# Altium PCB Motherboard_PCB_Trimmed.PcbDoc (part 1 of 5) (continued)
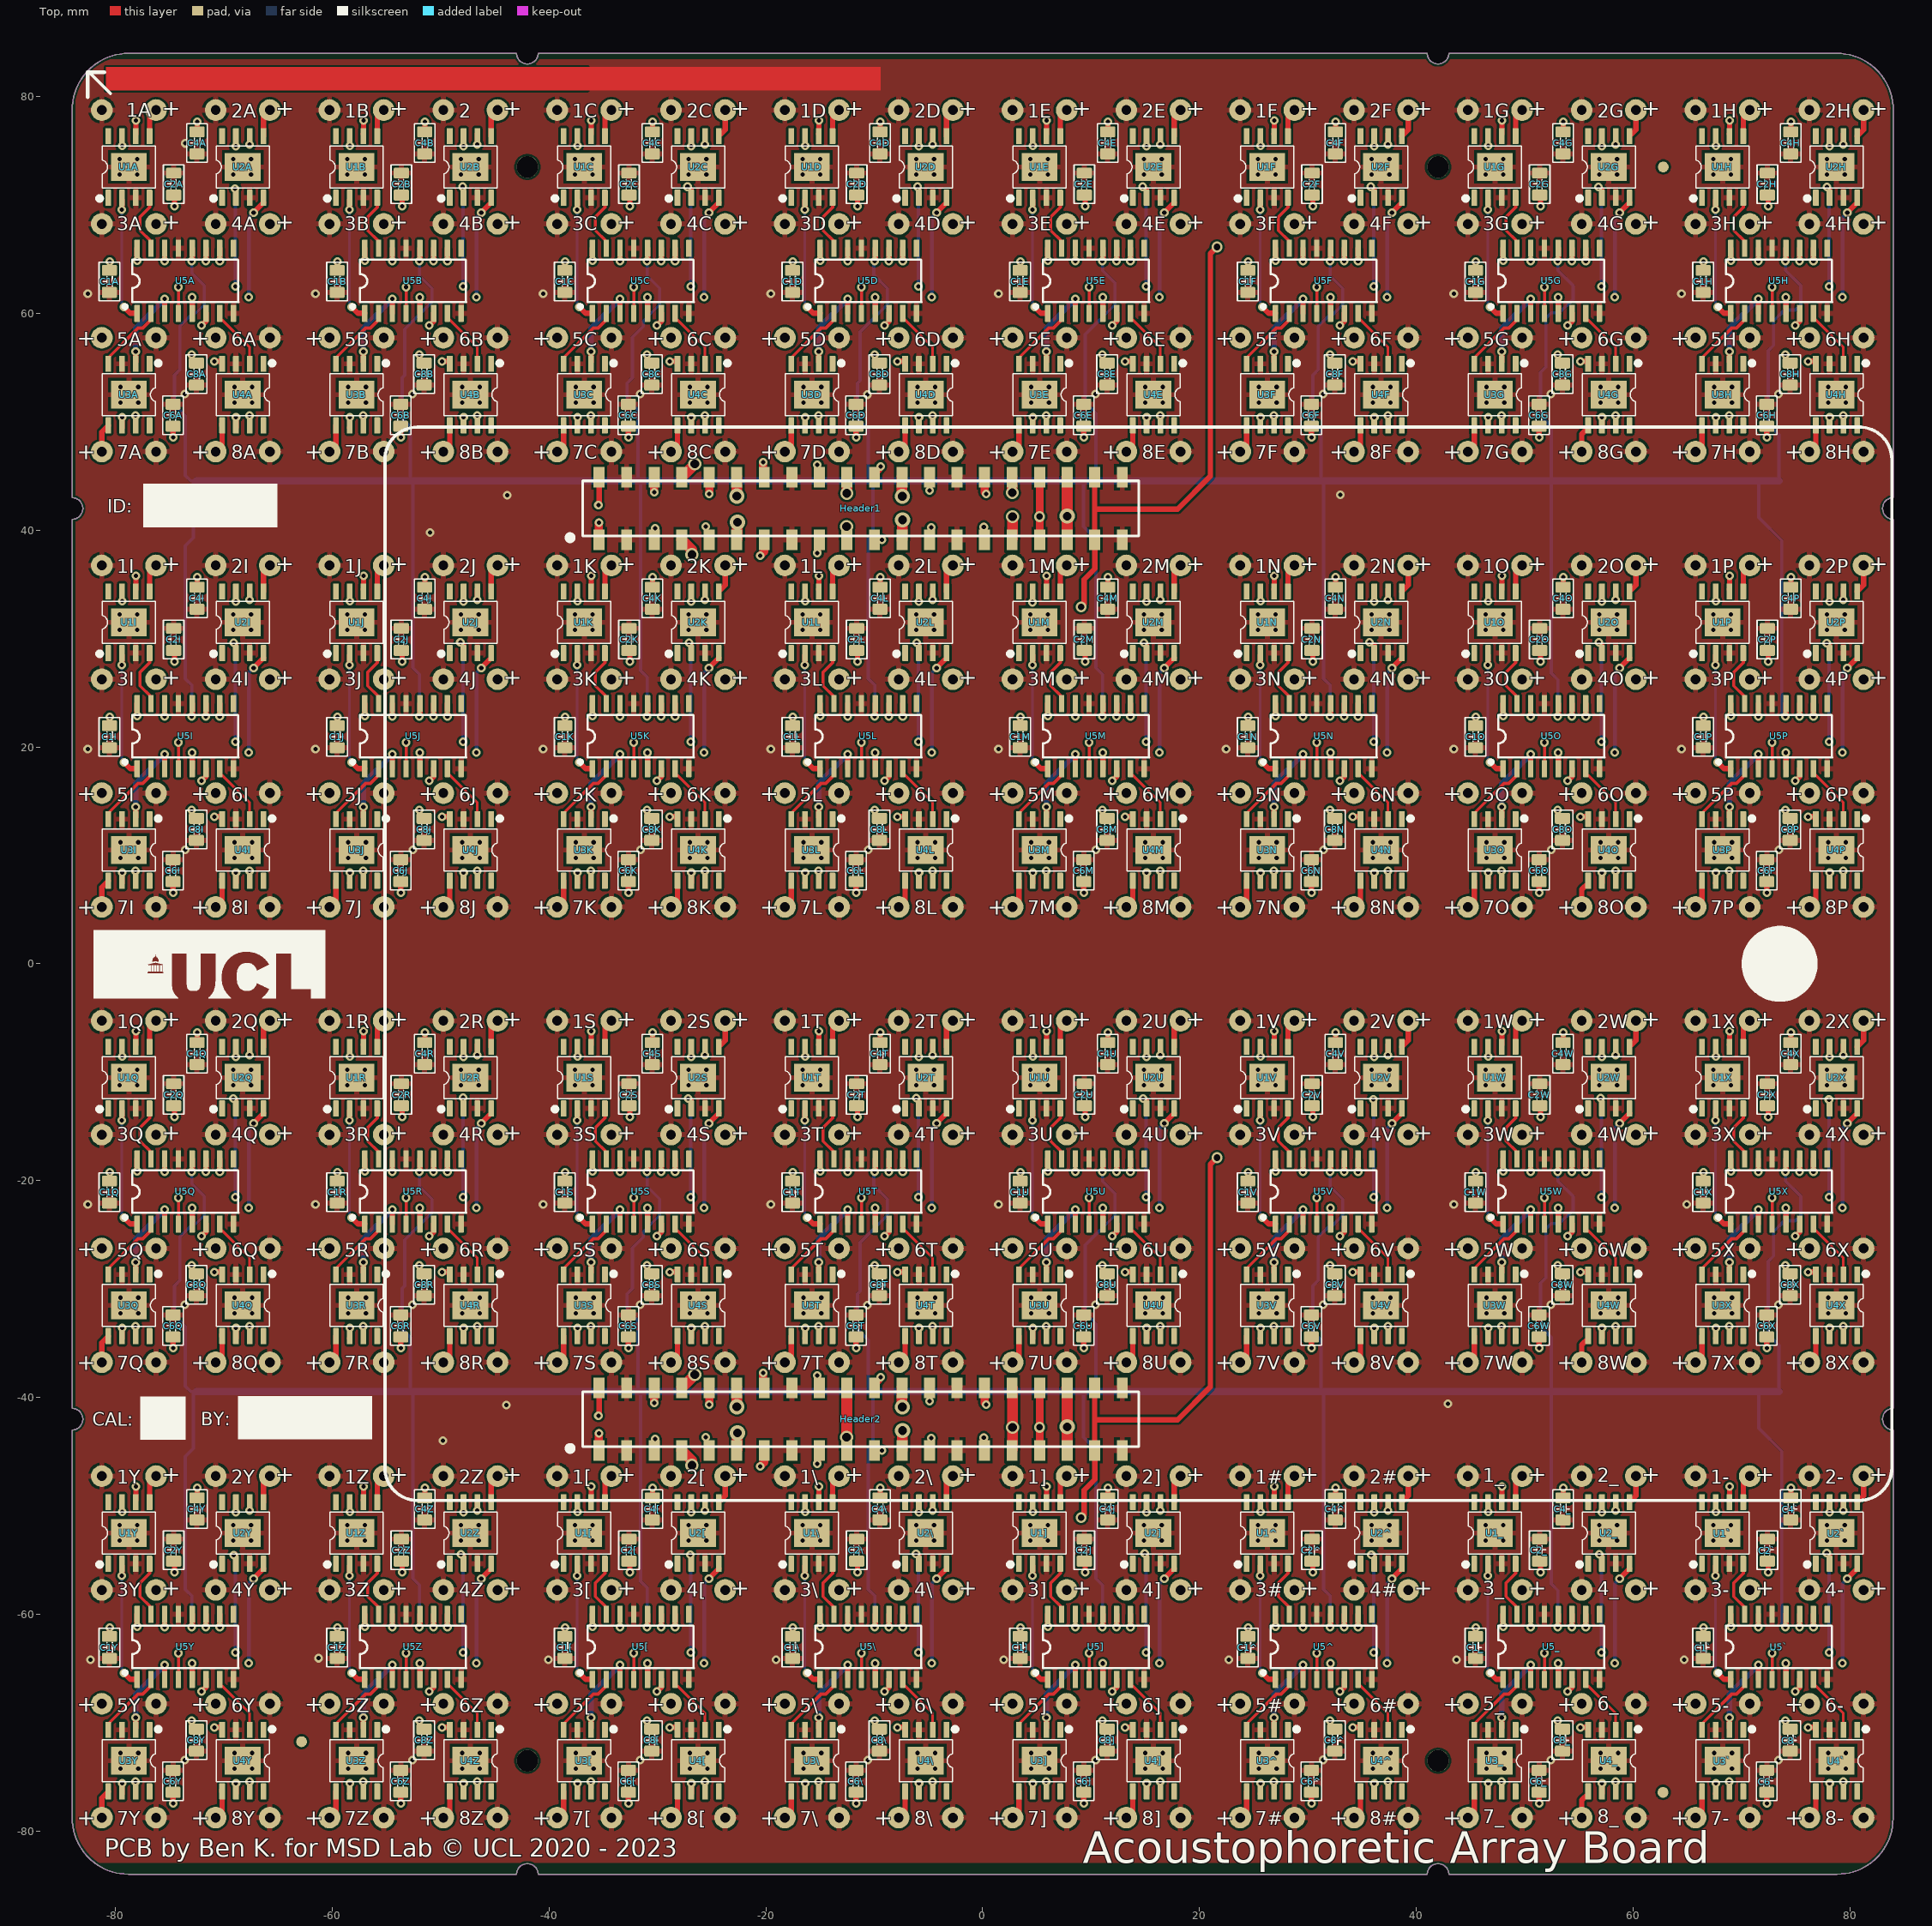
[diagram p0: Top view]
## Components (designator, comment, footprint, x,y, rotation, side; value= is the part's Value field where it differs from the comment) (continued)
3H "EMIT" "TRANSDUCER_D - LowPoly" 68.25,68.25 r180 top locked (schematic designator 3)
3I "EMIT" "TRANSDUCER_D - LowPoly" -78.75,26.25 r180 top locked (schematic designator 3)
3J "EMIT" "TRANSDUCER_D - LowPoly" -57.75,26.25 r180 top locked (schematic designator 3)
3K "EMIT" "TRANSDUCER_D - LowPoly" -36.75,26.25 r180 top locked (schematic designator 3)
3L "EMIT" "TRANSDUCER_D - LowPoly" -15.75,26.25 r180 top locked (schematic designator 3)
3M "EMIT" "TRANSDUCER_D - LowPoly" 5.25,26.25 r180 top locked (schematic designator 3)
3N "EMIT" "TRANSDUCER_D - LowPoly" 26.25,26.25 r180 top locked (schematic designator 3)
3O "EMIT" "TRANSDUCER_D - LowPoly" 47.25,26.25 r180 top locked (schematic designator 3)
3P "EMIT" "TRANSDUCER_D - LowPoly" 68.25,26.25 r180 top locked (schematic designator 3)
3Q "EMIT" "TRANSDUCER_D - LowPoly" -78.75,-15.75 r180 top locked (schematic designator 3)
3R "EMIT" "TRANSDUCER_D - LowPoly" -57.75,-15.75 r180 top locked (schematic designator 3)
3S "EMIT" "TRANSDUCER_D - LowPoly" -36.75,-15.75 r180 top locked (schematic designator 3)
3T "EMIT" "TRANSDUCER_D - LowPoly" -15.75,-15.75 r180 top locked (schematic designator 3)
3U "EMIT" "TRANSDUCER_D - LowPoly" 5.25,-15.75 r180 top locked (schematic designator 3)
3V "EMIT" "TRANSDUCER_D - LowPoly" 26.25,-15.75 r180 top locked (schematic designator 3)
3W "EMIT" "TRANSDUCER_D - LowPoly" 47.25,-15.75 r180 top locked (schematic designator 3)
3X "EMIT" "TRANSDUCER_D - LowPoly" 68.25,-15.75 r180 top locked (schematic designator 3)
3Y "EMIT" "TRANSDUCER_D - LowPoly" -78.75,-57.75 r180 top locked (schematic designator 3)
3Z "EMIT" "TRANSDUCER_D - LowPoly" -57.75,-57.75 r180 top locked (schematic designator 3)
4# "EMIT" "TRANSDUCER_D - LowPoly" 36.75,-57.75 r180 top locked (schematic designator 4)
4- "EMIT" "TRANSDUCER_D - LowPoly" 78.75,-57.75 r180 top locked (schematic designator 4)
4[ "EMIT" "TRANSDUCER_D - LowPoly" -26.25,-57.75 r180 top locked (schematic designator 4)
4\ "EMIT" "TRANSDUCER_D - LowPoly" -5.25,-57.75 r180 top locked (schematic designator 4)
4] "EMIT" "TRANSDUCER_D - LowPoly" 15.75,-57.75 r180 top locked (schematic designator 4)
4_ "EMIT" "TRANSDUCER_D - LowPoly" 57.75,-57.75 r180 top locked (schematic designator 4)
4A "EMIT" "TRANSDUCER_D - LowPoly" -68.25,68.25 r180 top locked (schematic designator 4)
4B "EMIT" "TRANSDUCER_D - LowPoly" -47.25,68.25 r180 top locked (schematic designator 4)
4C "EMIT" "TRANSDUCER_D - LowPoly" -26.25,68.25 r180 top locked (schematic designator 4)
4D "EMIT" "TRANSDUCER_D - LowPoly" -5.25,68.25 r180 top locked (schematic designator 4)
4E "EMIT" "TRANSDUCER_D - LowPoly" 15.75,68.25 r180 top locked (schematic designator 4)
4F "EMIT" "TRANSDUCER_D - LowPoly" 36.75,68.25 r180 top locked (schematic designator 4)
4G "EMIT" "TRANSDUCER_D - LowPoly" 57.75,68.25 r180 top locked (schematic designator 4)
4H "EMIT" "TRANSDUCER_D - LowPoly" 78.75,68.25 r180 top locked (schematic designator 4)
4I "EMIT" "TRANSDUCER_D - LowPoly" -68.25,26.25 r180 top locked (schematic designator 4)
4J "EMIT" "TRANSDUCER_D - LowPoly" -47.25,26.25 r180 top locked (schematic designator 4)
4K "EMIT" "TRANSDUCER_D - LowPoly" -26.25,26.25 r180 top locked (schematic designator 4)
4L "EMIT" "TRANSDUCER_D - LowPoly" -5.25,26.25 r180 top locked (schematic designator 4)
4M "EMIT" "TRANSDUCER_D - LowPoly" 15.75,26.25 r180 top locked (schematic designator 4)
4N "EMIT" "TRANSDUCER_D - LowPoly" 36.75,26.25 r180 top locked (schematic designator 4)
4O "EMIT" "TRANSDUCER_D - LowPoly" 57.75,26.25 r180 top locked (schematic designator 4)
4P "EMIT" "TRANSDUCER_D - LowPoly" 78.75,26.25 r180 top locked (schematic designator 4)
4Q "EMIT" "TRANSDUCER_D - LowPoly" -68.25,-15.75 r180 top locked (schematic designator 4)
4R "EMIT" "TRANSDUCER_D - LowPoly" -47.25,-15.75 r180 top locked (schematic designator 4)
4S "EMIT" "TRANSDUCER_D - LowPoly" -26.25,-15.75 r180 top locked (schematic designator 4)
4T "EMIT" "TRANSDUCER_D - LowPoly" -5.25,-15.75 r180 top locked (schematic designator 4)
4U "EMIT" "TRANSDUCER_D - LowPoly" 15.75,-15.75 r180 top locked (schematic designator 4)
4V "EMIT" "TRANSDUCER_D - LowPoly" 36.75,-15.75 r180 top locked (schematic designator 4)
4W "EMIT" "TRANSDUCER_D - LowPoly" 57.75,-15.75 r180 top locked (schematic designator 4)
4X "EMIT" "TRANSDUCER_D - LowPoly" 78.75,-15.75 r180 top locked (schematic designator 4)
4Y "EMIT" "TRANSDUCER_D - LowPoly" -68.25,-57.75 r180 top locked (schematic designator 4)
4Z "EMIT" "TRANSDUCER_D - LowPoly" -47.25,-57.75 r180 top locked (schematic designator 4)
5# "EMIT" "TRANSDUCER - LowPoly" 26.25,-68.25 r0 top locked (schematic designator 5)
5- "EMIT" "TRANSDUCER - LowPoly" 68.25,-68.25 r0 top locked (schematic designator 5)
5[ "EMIT" "TRANSDUCER - LowPoly" -36.75,-68.25 r0 top locked (schematic designator 5)
5\ "EMIT" "TRANSDUCER - LowPoly" -15.75,-68.25 r0 top locked (schematic designator 5)
5] "EMIT" "TRANSDUCER - LowPoly" 5.25,-68.25 r0 top locked (schematic designator 5)
5_ "EMIT" "TRANSDUCER - LowPoly" 47.25,-68.25 r0 top locked (schematic designator 5)
5A "EMIT" "TRANSDUCER - LowPoly" -78.75,57.75 r0 top locked (schematic designator 5)
5B "EMIT" "TRANSDUCER - LowPoly" -57.75,57.75 r0 top locked (schematic designator 5)
5C "EMIT" "TRANSDUCER - LowPoly" -36.75,57.75 r0 top locked (schematic designator 5)
5D "EMIT" "TRANSDUCER - LowPoly" -15.75,57.75 r0 top locked (schematic designator 5)
5E "EMIT" "TRANSDUCER - LowPoly" 5.25,57.75 r0 top locked (schematic designator 5)
5F "EMIT" "TRANSDUCER - LowPoly" 26.25,57.75 r0 top locked (schematic designator 5)
5G "EMIT" "TRANSDUCER - LowPoly" 47.25,57.75 r0 top locked (schematic designator 5)
5H "EMIT" "TRANSDUCER - LowPoly" 68.25,57.75 r0 top locked (schematic designator 5)
5I "EMIT" "TRANSDUCER - LowPoly" -78.75,15.75 r0 top locked (schematic designator 5)
5J "EMIT" "TRANSDUCER - LowPoly" -57.75,15.75 r0 top locked (schematic designator 5)
5K "EMIT" "TRANSDUCER - LowPoly" -36.75,15.75 r0 top locked (schematic designator 5)
5L "EMIT" "TRANSDUCER - LowPoly" -15.75,15.75 r0 top locked (schematic designator 5)
5M "EMIT" "TRANSDUCER - LowPoly" 5.25,15.75 r0 top locked (schematic designator 5)
5N "EMIT" "TRANSDUCER - LowPoly" 26.25,15.75 r0 top locked (schematic designator 5)
5O "EMIT" "TRANSDUCER - LowPoly" 47.25,15.75 r0 top locked (schematic designator 5)
5P "EMIT" "TRANSDUCER - LowPoly" 68.25,15.75 r0 top locked (schematic designator 5)
5Q "EMIT" "TRANSDUCER - LowPoly" -78.75,-26.25 r0 top locked (schematic designator 5)
5R "EMIT" "TRANSDUCER - LowPoly" -57.75,-26.25 r0 top locked (schematic designator 5)
5S "EMIT" "TRANSDUCER - LowPoly" -36.75,-26.25 r0 top locked (schematic designator 5)
5T "EMIT" "TRANSDUCER - LowPoly" -15.75,-26.25 r0 top locked (schematic designator 5)
5U "EMIT" "TRANSDUCER - LowPoly" 5.25,-26.25 r0 top locked (schematic designator 5)
5V "EMIT" "TRANSDUCER - LowPoly" 26.25,-26.25 r0 top locked (schematic designator 5)
5W "EMIT" "TRANSDUCER - LowPoly" 47.25,-26.25 r0 top locked (schematic designator 5)
5X "EMIT" "TRANSDUCER - LowPoly" 68.25,-26.25 r0 top locked (schematic designator 5)
5Y "EMIT" "TRANSDUCER - LowPoly" -78.75,-68.25 r0 top locked (schematic designator 5)
5Z "EMIT" "TRANSDUCER - LowPoly" -57.75,-68.25 r0 top locked (schematic designator 5)
6# "EMIT" "TRANSDUCER - LowPoly" 36.75,-68.25 r0 top locked (schematic designator 6)
6- "EMIT" "TRANSDUCER - LowPoly" 78.75,-68.25 r0 top locked (schematic designator 6)
6[ "EMIT" "TRANSDUCER - LowPoly" -26.25,-68.25 r0 top locked (schematic designator 6)
6\ "EMIT" "TRANSDUCER - LowPoly" -5.25,-68.25 r0 top locked (schematic designator 6)
6] "EMIT" "TRANSDUCER - LowPoly" 15.75,-68.25 r0 top locked (schematic designator 6)
6_ "EMIT" "TRANSDUCER - LowPoly" 57.75,-68.25 r0 top locked (schematic designator 6)
6A "EMIT" "TRANSDUCER - LowPoly" -68.25,57.75 r0 top locked (schematic designator 6)
6B "EMIT" "TRANSDUCER - LowPoly" -47.25,57.75 r0 top locked (schematic designator 6)
6C "EMIT" "TRANSDUCER - LowPoly" -26.25,57.75 r0 top locked (schematic designator 6)
6D "EMIT" "TRANSDUCER - LowPoly" -5.25,57.75 r0 top locked (schematic designator 6)
6E "EMIT" "TRANSDUCER - LowPoly" 15.75,57.75 r0 top locked (schematic designator 6)
6F "EMIT" "TRANSDUCER - LowPoly" 36.75,57.75 r0 top locked (schematic designator 6)
6G "EMIT" "TRANSDUCER - LowPoly" 57.75,57.75 r0 top locked (schematic designator 6)
6H "EMIT" "TRANSDUCER - LowPoly" 78.75,57.75 r0 top locked (schematic designator 6)
6I "EMIT" "TRANSDUCER - LowPoly" -68.25,15.75 r0 top locked (schematic designator 6)
6J "EMIT" "TRANSDUCER - LowPoly" -47.25,15.75 r0 top locked (schematic designator 6)
6K "EMIT" "TRANSDUCER - LowPoly" -26.25,15.75 r0 top locked (schematic designator 6)
6L "EMIT" "TRANSDUCER - LowPoly" -5.25,15.75 r0 top locked (schematic designator 6)
6M "EMIT" "TRANSDUCER - LowPoly" 15.75,15.75 r0 top locked (schematic designator 6)
6N "EMIT" "TRANSDUCER - LowPoly" 36.75,15.75 r0 top locked (schematic designator 6)
6O "EMIT" "TRANSDUCER - LowPoly" 57.75,15.75 r0 top locked (schematic designator 6)
6P "EMIT" "TRANSDUCER - LowPoly" 78.75,15.75 r0 top locked (schematic designator 6)
6Q "EMIT" "TRANSDUCER - LowPoly" -68.25,-26.25 r0 top locked (schematic designator 6)
6R "EMIT" "TRANSDUCER - LowPoly" -47.25,-26.25 r0 top locked (schematic designator 6)
6S "EMIT" "TRANSDUCER - LowPoly" -26.25,-26.25 r0 top locked (schematic designator 6)
6T "EMIT" "TRANSDUCER - LowPoly" -5.25,-26.25 r0 top locked (schematic designator 6)
6U "EMIT" "TRANSDUCER - LowPoly" 15.75,-26.25 r0 top locked (schematic designator 6)
6V "EMIT" "TRANSDUCER - LowPoly" 36.75,-26.25 r0 top locked (schematic designator 6)
6W "EMIT" "TRANSDUCER - LowPoly" 57.75,-26.25 r0 top locked (schematic designator 6)
6X "EMIT" "TRANSDUCER - LowPoly" 78.75,-26.25 r0 top locked (schematic designator 6)
6Y "EMIT" "TRANSDUCER - LowPoly" -68.25,-68.25 r0 top locked (schematic designator 6)
6Z "EMIT" "TRANSDUCER - LowPoly" -47.25,-68.25 r0 top locked (schematic designator 6)
7# "EMIT" "TRANSDUCER - LowPoly" 26.25,-78.75 r0 top locked (schematic designator 7)
7- "EMIT" "TRANSDUCER - LowPoly" 68.25,-78.75 r0 top locked (schematic designator 7)
7[ "EMIT" "TRANSDUCER - LowPoly" -36.75,-78.75 r0 top locked (schematic designator 7)
7\ "EMIT" "TRANSDUCER - LowPoly" -15.75,-78.75 r0 top locked (schematic designator 7)
7] "EMIT" "TRANSDUCER - LowPoly" 5.25,-78.75 r0 top locked (schematic designator 7)
7_ "EMIT" "TRANSDUCER - LowPoly" 47.25,-78.75 r0 top locked (schematic designator 7)
7A "EMIT" "TRANSDUCER - LowPoly" -78.75,47.25 r0 top locked (schematic designator 7)
7B "EMIT" "TRANSDUCER - LowPoly" -57.75,47.25 r0 top locked (schematic designator 7)
7C "EMIT" "TRANSDUCER - LowPoly" -36.75,47.25 r0 top locked (schematic designator 7)
7D "EMIT" "TRANSDUCER - LowPoly" -15.75,47.25 r0 top locked (schematic designator 7)
7E "EMIT" "TRANSDUCER - LowPoly" 5.25,47.25 r0 top locked (schematic designator 7)
7F "EMIT" "TRANSDUCER - LowPoly" 26.25,47.25 r0 top locked (schematic designator 7)
7G "EMIT" "TRANSDUCER - LowPoly" 47.25,47.25 r0 top locked (schematic designator 7)
7H "EMIT" "TRANSDUCER - LowPoly" 68.25,47.25 r0 top locked (schematic designator 7)
7I "EMIT" "TRANSDUCER - LowPoly" -78.75,5.25 r0 top locked (schematic designator 7)
7J "EMIT" "TRANSDUCER - LowPoly" -57.75,5.25 r0 top locked (schematic designator 7)
7K "EMIT" "TRANSDUCER - LowPoly" -36.75,5.25 r0 top locked (schematic designator 7)
7L "EMIT" "TRANSDUCER - LowPoly" -15.75,5.25 r0 top locked (schematic designator 7)
7M "EMIT" "TRANSDUCER - LowPoly" 5.25,5.25 r0 top locked (schematic designator 7)
7N "EMIT" "TRANSDUCER - LowPoly" 26.25,5.25 r0 top locked (schematic designator 7)
7O "EMIT" "TRANSDUCER - LowPoly" 47.25,5.25 r0 top locked (schematic designator 7)
7P "EMIT" "TRANSDUCER - LowPoly" 68.25,5.25 r0 top locked (schematic designator 7)
7Q "EMIT" "TRANSDUCER - LowPoly" -78.75,-36.75 r0 top locked (schematic designator 7)
7R "EMIT" "TRANSDUCER - LowPoly" -57.75,-36.75 r0 top locked (schematic designator 7)
7S "EMIT" "TRANSDUCER - LowPoly" -36.75,-36.75 r0 top locked (schematic designator 7)
7T "EMIT" "TRANSDUCER - LowPoly" -15.75,-36.75 r0 top locked (schematic designator 7)
7U "EMIT" "TRANSDUCER - LowPoly" 5.25,-36.75 r0 top locked (schematic designator 7)
7V "EMIT" "TRANSDUCER - LowPoly" 26.25,-36.75 r0 top locked (schematic designator 7)
7W "EMIT" "TRANSDUCER - LowPoly" 47.25,-36.75 r0 top locked (schematic designator 7)
7X "EMIT" "TRANSDUCER - LowPoly" 68.25,-36.75 r0 top locked (schematic designator 7)
7Y "EMIT" "TRANSDUCER - LowPoly" -78.75,-78.75 r0 top locked (schematic designator 7)
7Z "EMIT" "TRANSDUCER - LowPoly" -57.75,-78.75 r0 top locked (schematic designator 7)
8# "EMIT" "TRANSDUCER - LowPoly" 36.75,-78.75 r0 top locked (schematic designator 8)
8- "EMIT" "TRANSDUCER - LowPoly" 78.75,-78.75 r0 top locked (schematic designator 8)
8[ "EMIT" "TRANSDUCER - LowPoly" -26.25,-78.75 r0 top locked (schematic designator 8)
8\ "EMIT" "TRANSDUCER - LowPoly" -5.25,-78.75 r0 top locked (schematic designator 8)
8] "EMIT" "TRANSDUCER - LowPoly" 15.75,-78.75 r0 top locked (schematic designator 8)
8_ "EMIT" "TRANSDUCER - LowPoly" 57.75,-78.75 r0 top locked (schematic designator 8)
8A "EMIT" "TRANSDUCER - LowPoly" -68.25,47.25 r0 top locked (schematic designator 8)
8B "EMIT" "TRANSDUCER - LowPoly" -47.25,47.25 r0 top locked (schematic designator 8)
8C "EMIT" "TRANSDUCER - LowPoly" -26.25,47.25 r0 top locked (schematic designator 8)
8D "EMIT" "TRANSDUCER - LowPoly" -5.25,47.25 r0 top locked (schematic designator 8)
8E "EMIT" "TRANSDUCER - LowPoly" 15.75,47.25 r0 top locked (schematic designator 8)
8F "EMIT" "TRANSDUCER - LowPoly" 36.75,47.25 r0 top locked (schematic designator 8)
8G "EMIT" "TRANSDUCER - LowPoly" 57.75,47.25 r0 top locked (schematic designator 8)
8H "EMIT" "TRANSDUCER - LowPoly" 78.75,47.25 r0 top locked (schematic designator 8)
8I "EMIT" "TRANSDUCER - LowPoly" -68.25,5.25 r0 top locked (schematic designator 8)
8J "EMIT" "TRANSDUCER - LowPoly" -47.25,5.25 r0 top locked (schematic designator 8)
8K "EMIT" "TRANSDUCER - LowPoly" -26.25,5.25 r0 top locked (schematic designator 8)
8L "EMIT" "TRANSDUCER - LowPoly" -5.25,5.25 r0 top locked (schematic designator 8)
8M "EMIT" "TRANSDUCER - LowPoly" 15.75,5.25 r0 top locked (schematic designator 8)
8N "EMIT" "TRANSDUCER - LowPoly" 36.75,5.25 r0 top locked (schematic designator 8)
8O "EMIT" "TRANSDUCER - LowPoly" 57.75,5.25 r0 top locked (schematic designator 8)
8P "EMIT" "TRANSDUCER - LowPoly" 78.75,5.25 r0 top locked (schematic designator 8)
8Q "EMIT" "TRANSDUCER - LowPoly" -68.25,-36.75 r0 top locked (schematic designator 8)
8R "EMIT" "TRANSDUCER - LowPoly" -47.25,-36.75 r0 top locked (schematic designator 8)
8S "EMIT" "TRANSDUCER - LowPoly" -26.25,-36.75 r0 top locked (schematic designator 8)
8T "EMIT" "TRANSDUCER - LowPoly" -5.25,-36.75 r0 top locked (schematic designator 8)
8U "EMIT" "TRANSDUCER - LowPoly" 15.75,-36.75 r0 top locked (schematic designator 8)
8V "EMIT" "TRANSDUCER - LowPoly" 36.75,-36.75 r0 top locked (schematic designator 8)
8W "EMIT" "TRANSDUCER - LowPoly" 57.75,-36.75 r0 top locked (schematic designator 8)
8X "EMIT" "TRANSDUCER - LowPoly" 78.75,-36.75 r0 top locked (schematic designator 8)
8Y "EMIT" "TRANSDUCER - LowPoly" -68.25,-78.75 r0 top locked (schematic designator 8)
8Z "EMIT" "TRANSDUCER - LowPoly" -47.25,-78.75 r0 top locked (schematic designator 8)
C1[ "0.1 uF" CAP0805 -38.55,-63.05 r0 top locked (schematic designator C1)
C1\ "0.1 uF" CAP0805 -17.55,-63.05 r0 top locked (schematic designator C1)
C1] "0.1 uF" CAP0805 3.45,-63.05 r0 top locked (schematic designator C1)
C1^ "0.1 uF" CAP0805 24.45,-63.05 r0 top locked (schematic designator C1)
C1_ "0.1 uF" CAP0805 45.45,-63.05 r0 top locked (schematic designator C1)
C1` "0.1 uF" CAP0805 66.45,-63.05 r0 top locked (schematic designator C1)
C1A "0.1 uF" CAP0805 -80.55,62.95 r0 top locked (schematic designator C1)
C1B "0.1 uF" CAP0805 -59.55,62.95 r0 top locked (schematic designator C1)
C1C "0.1 uF" CAP0805 -38.55,62.95 r0 top locked (schematic designator C1)
C1D "0.1 uF" CAP0805 -17.55,62.95 r0 top locked (schematic designator C1)
C1E "0.1 uF" CAP0805 3.45,62.95 r0 top locked (schematic designator C1)
C1F "0.1 uF" CAP0805 24.45,62.95 r0 top locked (schematic designator C1)
C1G "0.1 uF" CAP0805 45.45,62.95 r0 top locked (schematic designator C1)
C1H "0.1 uF" CAP0805 66.45,62.95 r0 top locked (schematic designator C1)
C1I "0.1 uF" CAP0805 -80.55,20.95 r0 top locked (schematic designator C1)
C1J "0.1 uF" CAP0805 -59.55,20.95 r0 top locked (schematic designator C1)
C1K "0.1 uF" CAP0805 -38.55,20.95 r0 top locked (schematic designator C1)
C1L "0.1 uF" CAP0805 -17.55,20.95 r0 top locked (schematic designator C1)
C1M "0.1 uF" CAP0805 3.45,20.95 r0 top locked (schematic designator C1)
C1N "0.1 uF" CAP0805 24.45,20.95 r0 top locked (schematic designator C1)
C1O "0.1 uF" CAP0805 45.45,20.95 r0 top locked (schematic designator C1)
C1P "0.1 uF" CAP0805 66.45,20.95 r0 top locked (schematic designator C1)
C1Q "0.1 uF" CAP0805 -80.55,-21.05 r0 top locked (schematic designator C1)
C1R "0.1 uF" CAP0805 -59.55,-21.05 r0 top locked (schematic designator C1)
C1S "0.1 uF" CAP0805 -38.55,-21.05 r0 top locked (schematic designator C1)
C1T "0.1 uF" CAP0805 -17.55,-21.05 r0 top locked (schematic designator C1)
C1U "0.1 uF" CAP0805 3.45,-21.05 r0 top locked (schematic designator C1)
C1V "0.1 uF" CAP0805 24.45,-21.05 r0 top locked (schematic designator C1)
C1W "0.1 uF" CAP0805 45.45,-21.05 r0 top locked (schematic designator C1)
C1X "0.1 uF" CAP0805 66.45,-21.05 r0 top locked (schematic designator C1)
C1Y "0.1 uF" CAP0805 -80.55,-63.05 r0 top locked (schematic designator C1)
C1Z "0.1 uF" CAP0805 -59.55,-63.05 r0 top locked (schematic designator C1)
C2[ "0.1 uF" CAP0805 -32.625,-54.075 r180 top locked (schematic designator C2)
C2\ "0.1 uF" CAP0805 -11.625,-54.075 r180 top locked (schematic designator C2)
C2] "0.1 uF" CAP0805 9.375,-54.075 r180 top locked (schematic designator C2)
C2^ "0.1 uF" CAP0805 30.375,-54.075 r180 top locked (schematic designator C2)
C2_ "0.1 uF" CAP0805 51.375,-54.075 r180 top locked (schematic designator C2)
C2` "0.1 uF" CAP0805 72.375,-54.075 r180 top locked (schematic designator C2)
C2A "0.1 uF" CAP0805 -74.625,71.925 r180 top locked (schematic designator C2)
C2B "0.1 uF" CAP0805 -53.625,71.925 r180 top locked (schematic designator C2)
C2C "0.1 uF" CAP0805 -32.625,71.925 r180 top locked (schematic designator C2)
C2D "0.1 uF" CAP0805 -11.625,71.925 r180 top locked (schematic designator C2)
C2E "0.1 uF" CAP0805 9.375,71.925 r180 top locked (schematic designator C2)
C2F "0.1 uF" CAP0805 30.375,71.925 r180 top locked (schematic designator C2)
C2G "0.1 uF" CAP0805 51.375,71.925 r180 top locked (schematic designator C2)
C2H "0.1 uF" CAP0805 72.375,71.925 r180 top locked (schematic designator C2)
C2I "0.1 uF" CAP0805 -74.625,29.925 r180 top locked (schematic designator C2)
C2J "0.1 uF" CAP0805 -53.625,29.925 r180 top locked (schematic designator C2)
C2K "0.1 uF" CAP0805 -32.625,29.925 r180 top locked (schematic designator C2)
C2L "0.1 uF" CAP0805 -11.625,29.925 r180 top locked (schematic designator C2)
C2M "0.1 uF" CAP0805 9.375,29.925 r180 top locked (schematic designator C2)
C2N "0.1 uF" CAP0805 30.375,29.925 r180 top locked (schematic designator C2)
C2O "0.1 uF" CAP0805 51.375,29.925 r180 top locked (schematic designator C2)
C2P "0.1 uF" CAP0805 72.375,29.925 r180 top locked (schematic designator C2)
C2Q "0.1 uF" CAP0805 -74.625,-12.075 r180 top locked (schematic designator C2)
C2R "0.1 uF" CAP0805 -53.625,-12.075 r180 top locked (schematic designator C2)
C2S "0.1 uF" CAP0805 -32.625,-12.075 r180 top locked (schematic designator C2)
C2T "0.1 uF" CAP0805 -11.625,-12.075 r180 top locked (schematic designator C2)
C2U "0.1 uF" CAP0805 9.375,-12.075 r180 top locked (schematic designator C2)
C2V "0.1 uF" CAP0805 30.375,-12.075 r180 top locked (schematic designator C2)
C2W "0.1 uF" CAP0805 51.375,-12.075 r180 top locked (schematic designator C2)
C2X "0.1 uF" CAP0805 72.375,-12.075 r180 top locked (schematic designator C2)
C2Y "0.1 uF" CAP0805 -74.625,-54.075 r180 top locked (schematic designator C2)
C2Z "0.1 uF" CAP0805 -53.625,-54.075 r180 top locked (schematic designator C2)
C4[ "0.1 uF" CAP0805 -30.475,-50.275 r0 top locked (schematic designator C4)
C4\ "0.1 uF" CAP0805 -9.475,-50.275 r0 top locked (schematic designator C4)
C4] "0.1 uF" CAP0805 11.525,-50.275 r0 top locked (schematic designator C4)
C4^ "0.1 uF" CAP0805 32.525,-50.275 r0 top locked (schematic designator C4)
C4_ "0.1 uF" CAP0805 53.525,-50.275 r0 top locked (schematic designator C4)
C4` "0.1 uF" CAP0805 74.525,-50.275 r0 top locked (schematic designator C4)
C4A "0.1 uF" CAP0805 -72.475,75.725 r0 top locked (schematic designator C4)
C4B "0.1 uF" CAP0805 -51.475,75.725 r0 top locked (schematic designator C4)
C4C "0.1 uF" CAP0805 -30.475,75.725 r0 top locked (schematic designator C4)
C4D "0.1 uF" CAP0805 -9.475,75.725 r0 top locked (schematic designator C4)
C4E "0.1 uF" CAP0805 11.525,75.725 r0 top locked (schematic designator C4)
C4F "0.1 uF" CAP0805 32.525,75.725 r0 top locked (schematic designator C4)
C4G "0.1 uF" CAP0805 53.525,75.725 r0 top locked (schematic designator C4)
C4H "0.1 uF" CAP0805 74.525,75.725 r0 top locked (schematic designator C4)
C4I "0.1 uF" CAP0805 -72.475,33.725 r0 top locked (schematic designator C4)
C4J "0.1 uF" CAP0805 -51.475,33.725 r0 top locked (schematic designator C4)
C4K "0.1 uF" CAP0805 -30.475,33.725 r0 top locked (schematic designator C4)
C4L "0.1 uF" CAP0805 -9.475,33.725 r0 top locked (schematic designator C4)
C4M "0.1 uF" CAP0805 11.525,33.725 r0 top locked (schematic designator C4)
C4N "0.1 uF" CAP0805 32.525,33.725 r0 top locked (schematic designator C4)
C4O "0.1 uF" CAP0805 53.525,33.725 r0 top locked (schematic designator C4)
C4P "0.1 uF" CAP0805 74.525,33.725 r0 top locked (schematic designator C4)
C4Q "0.1 uF" CAP0805 -72.475,-8.275 r0 top locked (schematic designator C4)
C4R "0.1 uF" CAP0805 -51.475,-8.275 r0 top locked (schematic designator C4)
C4S "0.1 uF" CAP0805 -30.475,-8.275 r0 top locked (schematic designator C4)
C4T "0.1 uF" CAP0805 -9.475,-8.275 r0 top locked (schematic designator C4)
C4U "0.1 uF" CAP0805 11.525,-8.275 r0 top locked (schematic designator C4)
C4V "0.1 uF" CAP0805 32.525,-8.275 r0 top locked (schematic designator C4)
C4W "0.1 uF" CAP0805 53.525,-8.275 r0 top locked (schematic designator C4)
C4X "0.1 uF" CAP0805 74.525,-8.275 r0 top locked (schematic designator C4)
C4Y "0.1 uF" CAP0805 -72.475,-50.275 r0 top locked (schematic designator C4)
C4Z "0.1 uF" CAP0805 -51.475,-50.275 r0 top locked (schematic designator C4)
C6[ "0.1 uF" CAP0805 -32.675,-75.4 r180 top locked (schematic designator C6)
C6\ "0.1 uF" CAP0805 -11.675,-75.4 r180 top locked (schematic designator C6)
C6] "0.1 uF" CAP0805 9.325,-75.4 r180 top locked (schematic designator C6)
C6^ "0.1 uF" CAP0805 30.325,-75.4 r180 top locked (schematic designator C6)
C6_ "0.1 uF" CAP0805 51.325,-75.4 r180 top locked (schematic designator C6)
C6` "0.1 uF" CAP0805 72.325,-75.4 r180 top locked (schematic designator C6)
C6A "0.1 uF" CAP0805 -74.675,50.6 r180 top locked (schematic designator C6)
C6B "0.1 uF" CAP0805 -53.675,50.6 r180 top locked (schematic designator C6)
C6C "0.1 uF" CAP0805 -32.675,50.6 r180 top locked (schematic designator C6)
C6D "0.1 uF" CAP0805 -11.675,50.6 r180 top locked (schematic designator C6)
C6E "0.1 uF" CAP0805 9.325,50.6 r180 top locked (schematic designator C6)
C6F "0.1 uF" CAP0805 30.325,50.6 r180 top locked (schematic designator C6)
C6G "0.1 uF" CAP0805 51.325,50.6 r180 top locked (schematic designator C6)
C6H "0.1 uF" CAP0805 72.325,50.6 r180 top locked (schematic designator C6)
C6I "0.1 uF" CAP0805 -74.675,8.6 r180 top locked (schematic designator C6)
C6J "0.1 uF" CAP0805 -53.675,8.6 r180 top locked (schematic designator C6)
C6K "0.1 uF" CAP0805 -32.675,8.6 r180 top locked (schematic designator C6)
C6L "0.1 uF" CAP0805 -11.675,8.6 r180 top locked (schematic designator C6)
C6M "0.1 uF" CAP0805 9.325,8.6 r180 top locked (schematic designator C6)
C6N "0.1 uF" CAP0805 30.325,8.6 r180 top locked (schematic designator C6)
C6O "0.1 uF" CAP0805 51.325,8.6 r180 top locked (schematic designator C6)
C6P "0.1 uF" CAP0805 72.325,8.6 r180 top locked (schematic designator C6)
C6Q "0.1 uF" CAP0805 -74.675,-33.4 r180 top locked (schematic designator C6)
C6R "0.1 uF" CAP0805 -53.675,-33.4 r180 top locked (schematic designator C6)
C6S "0.1 uF" CAP0805 -32.675,-33.4 r180 top locked (schematic designator C6)
C6T "0.1 uF" CAP0805 -11.675,-33.4 r180 top locked (schematic designator C6)
C6U "0.1 uF" CAP0805 9.325,-33.4 r180 top locked (schematic designator C6)
C6V "0.1 uF" CAP0805 30.325,-33.4 r180 top locked (schematic designator C6)
C6W "0.1 uF" CAP0805 51.325,-33.4 r180 top locked (schematic designator C6)
C6X "0.1 uF" CAP0805 72.325,-33.4 r180 top locked (schematic designator C6)
C6Y "0.1 uF" CAP0805 -74.675,-75.4 r180 top locked (schematic designator C6)
C6Z "0.1 uF" CAP0805 -53.675,-75.4 r180 top locked (schematic designator C6)
C8[ "0.1 uF" CAP0805 -30.525,-71.6 r0 top locked (schematic designator C8)
C8\ "0.1 uF" CAP0805 -9.525,-71.6 r0 top locked (schematic designator C8)
C8] "0.1 uF" CAP0805 11.475,-71.6 r0 top locked (schematic designator C8)
C8^ "0.1 uF" CAP0805 32.475,-71.6 r0 top locked (schematic designator C8)
C8_ "0.1 uF" CAP0805 53.475,-71.6 r0 top locked (schematic designator C8)
C8` "0.1 uF" CAP0805 74.475,-71.6 r0 top locked (schematic designator C8)
C8A "0.1 uF" CAP0805 -72.525,54.4 r0 top locked (schematic designator C8)
C8B "0.1 uF" CAP0805 -51.525,54.4 r0 top locked (schematic designator C8)
C8C "0.1 uF" CAP0805 -30.525,54.4 r0 top locked (schematic designator C8)
C8D "0.1 uF" CAP0805 -9.525,54.4 r0 top locked (schematic designator C8)
C8E "0.1 uF" CAP0805 11.475,54.4 r0 top locked (schematic designator C8)
C8F "0.1 uF" CAP0805 32.475,54.4 r0 top locked (schematic designator C8)
C8G "0.1 uF" CAP0805 53.475,54.4 r0 top locked (schematic designator C8)
C8H "0.1 uF" CAP0805 74.475,54.4 r0 top locked (schematic designator C8)
C8I "0.1 uF" CAP0805 -72.525,12.4 r0 top locked (schematic designator C8)
C8J "0.1 uF" CAP0805 -51.525,12.4 r0 top locked (schematic designator C8)
C8K "0.1 uF" CAP0805 -30.525,12.4 r0 top locked (schematic designator C8)
C8L "0.1 uF" CAP0805 -9.525,12.4 r0 top locked (schematic designator C8)
C8M "0.1 uF" CAP0805 11.475,12.4 r0 top locked (schematic designator C8)
C8N "0.1 uF" CAP0805 32.475,12.4 r0 top locked (schematic designator C8)
C8O "0.1 uF" CAP0805 53.475,12.4 r0 top locked (schematic designator C8)
C8P "0.1 uF" CAP0805 74.475,12.4 r0 top locked (schematic designator C8)
C8Q "0.1 uF" CAP0805 -72.525,-29.6 r0 top locked (schematic designator C8)
C8R "0.1 uF" CAP0805 -51.525,-29.6 r0 top locked (schematic designator C8)
C8S "0.1 uF" CAP0805 -30.525,-29.6 r0 top locked (schematic designator C8)
C8T "0.1 uF" CAP0805 -9.525,-29.6 r0 top locked (schematic designator C8)
C8U "0.1 uF" CAP0805 11.475,-29.6 r0 top locked (schematic designator C8)
C8V "0.1 uF" CAP0805 32.475,-29.6 r0 top locked (schematic designator C8)
C8W "0.1 uF" CAP0805 53.475,-29.6 r0 top locked (schematic designator C8)
C8X "0.1 uF" CAP0805 74.475,-29.6 r0 top locked (schematic designator C8)
C8Y "0.1 uF" CAP0805 -72.525,-71.6 r0 top locked (schematic designator C8)
C8Z "0.1 uF" CAP0805 -51.525,-71.6 r0 top locked (schematic designator C8)
Header1 "2x20 SMT Header B27C" B27C-SMT2X20 -11.255,42.006 r90 top
Header2 "2x20 SMT Header B27C" B27C-SMT2X20 -11.255,-42 r90 top locked
U1[ "MOSFET Driver" MIC4127YME -36.75,-52.5 r90 top locked (schematic designator U1)
U1\ "MOSFET Driver" MIC4127YME -15.75,-52.5 r90 top locked (schematic designator U1)
U1] "MOSFET Driver" MIC4127YME 5.25,-52.5 r90 top locked (schematic designator U1)
U1^ "MOSFET Driver" MIC4127YME 26.25,-52.5 r90 top locked (schematic designator U1)
U1_ "MOSFET Driver" MIC4127YME 47.25,-52.5 r90 top locked (schematic designator U1)
U1` "MOSFET Driver" MIC4127YME 68.25,-52.5 r90 top locked (schematic designator U1)
U1A "MOSFET Driver" MIC4127YME -78.75,73.5 r90 top locked (schematic designator U1)
U1B "MOSFET Driver" MIC4127YME -57.75,73.5 r90 top locked (schematic designator U1)
U1C "MOSFET Driver" MIC4127YME -36.75,73.5 r90 top locked (schematic designator U1)
U1D "MOSFET Driver" MIC4127YME -15.75,73.5 r90 top locked (schematic designator U1)
U1E "MOSFET Driver" MIC4127YME 5.25,73.5 r90 top locked (schematic designator U1)
U1F "MOSFET Driver" MIC4127YME 26.25,73.5 r90 top locked (schematic designator U1)
U1G "MOSFET Driver" MIC4127YME 47.25,73.5 r90 top locked (schematic designator U1)
U1H "MOSFET Driver" MIC4127YME 68.25,73.5 r90 top locked (schematic designator U1)
U1I "MOSFET Driver" MIC4127YME -78.75,31.5 r90 top locked (schematic designator U1)
U1J "MOSFET Driver" MIC4127YME -57.75,31.5 r90 top locked (schematic designator U1)
U1K "MOSFET Driver" MIC4127YME -36.75,31.5 r90 top locked (schematic designator U1)
U1L "MOSFET Driver" MIC4127YME -15.75,31.5 r90 top locked (schematic designator U1)
U1M "MOSFET Driver" MIC4127YME 5.25,31.5 r90 top locked (schematic designator U1)
U1N "MOSFET Driver" MIC4127YME 26.25,31.5 r90 top locked (schematic designator U1)
U1O "MOSFET Driver" MIC4127YME 47.25,31.5 r90 top locked (schematic designator U1)
U1P "MOSFET Driver" MIC4127YME 68.25,31.5 r90 top locked (schematic designator U1)
U1Q "MOSFET Driver" MIC4127YME -78.75,-10.5 r90 top locked (schematic designator U1)
U1R "MOSFET Driver" MIC4127YME -57.75,-10.5 r90 top locked (schematic designator U1)
U1S "MOSFET Driver" MIC4127YME -36.75,-10.5 r90 top locked (schematic designator U1)
U1T "MOSFET Driver" MIC4127YME -15.75,-10.5 r90 top locked (schematic designator U1)
U1U "MOSFET Driver" MIC4127YME 5.25,-10.5 r90 top locked (schematic designator U1)
U1V "MOSFET Driver" MIC4127YME 26.25,-10.5 r90 top locked (schematic designator U1)
U1W "MOSFET Driver" MIC4127YME 47.25,-10.5 r90 top locked (schematic designator U1)
U1X "MOSFET Driver" MIC4127YME 68.25,-10.5 r90 top locked (schematic designator U1)
U1Y "MOSFET Driver" MIC4127YME -78.75,-52.5 r90 top locked (schematic designator U1)
U1Z "MOSFET Driver" MIC4127YME -57.75,-52.5 r90 top locked (schematic designator U1)
U2[ "MOSFET Driver" MIC4127YME -26.25,-52.5 r90 top locked (schematic designator U2)
U2\ "MOSFET Driver" MIC4127YME -5.25,-52.5 r90 top locked (schematic designator U2)
U2] "MOSFET Driver" MIC4127YME 15.75,-52.5 r90 top locked (schematic designator U2)
U2^ "MOSFET Driver" MIC4127YME 36.75,-52.5 r90 top locked (schematic designator U2)
U2_ "MOSFET Driver" MIC4127YME 57.75,-52.5 r90 top locked (schematic designator U2)
U2` "MOSFET Driver" MIC4127YME 78.75,-52.5 r90 top locked (schematic designator U2)
U2A "MOSFET Driver" MIC4127YME -68.25,73.5 r90 top locked (schematic designator U2)
U2B "MOSFET Driver" MIC4127YME -47.25,73.5 r90 top locked (schematic designator U2)
U2C "MOSFET Driver" MIC4127YME -26.25,73.5 r90 top locked (schematic designator U2)
U2D "MOSFET Driver" MIC4127YME -5.25,73.5 r90 top locked (schematic designator U2)
U2E "MOSFET Driver" MIC4127YME 15.75,73.5 r90 top locked (schematic designator U2)
U2F "MOSFET Driver" MIC4127YME 36.75,73.5 r90 top locked (schematic designator U2)
U2G "MOSFET Driver" MIC4127YME 57.75,73.5 r90 top locked (schematic designator U2)
U2H "MOSFET Driver" MIC4127YME 78.75,73.5 r90 top locked (schematic designator U2)
U2I "MOSFET Driver" MIC4127YME -68.25,31.5 r90 top locked (schematic designator U2)
U2J "MOSFET Driver" MIC4127YME -47.25,31.5 r90 top locked (schematic designator U2)
U2K "MOSFET Driver" MIC4127YME -26.25,31.5 r90 top locked (schematic designator U2)
U2L "MOSFET Driver" MIC4127YME -5.25,31.5 r90 top locked (schematic designator U2)
U2M "MOSFET Driver" MIC4127YME 15.75,31.5 r90 top locked (schematic designator U2)
U2N "MOSFET Driver" MIC4127YME 36.75,31.5 r90 top locked (schematic designator U2)
U2O "MOSFET Driver" MIC4127YME 57.75,31.5 r90 top locked (schematic designator U2)
U2P "MOSFET Driver" MIC4127YME 78.75,31.5 r90 top locked (schematic designator U2)
U2Q "MOSFET Driver" MIC4127YME -68.25,-10.5 r90 top locked (schematic designator U2)
U2R "MOSFET Driver" MIC4127YME -47.25,-10.5 r90 top locked (schematic designator U2)
U2S "MOSFET Driver" MIC4127YME -26.25,-10.5 r90 top locked (schematic designator U2)
U2T "MOSFET Driver" MIC4127YME -5.25,-10.5 r90 top locked (schematic designator U2)
U2U "MOSFET Driver" MIC4127YME 15.75,-10.5 r90 top locked (schematic designator U2)
U2V "MOSFET Driver" MIC4127YME 36.75,-10.5 r90 top locked (schematic designator U2)
U2W "MOSFET Driver" MIC4127YME 57.75,-10.5 r90 top locked (schematic designator U2)
U2X "MOSFET Driver" MIC4127YME 78.75,-10.5 r90 top locked (schematic designator U2)
U2Y "MOSFET Driver" MIC4127YME -68.25,-52.5 r90 top locked (schematic designator U2)
U2Z "MOSFET Driver" MIC4127YME -47.25,-52.5 r90 top locked (schematic designator U2)
U3[ "MOSFET Driver" MIC4127YME -36.75,-73.5 r270 top locked (schematic designator U3)
U3\ "MOSFET Driver" MIC4127YME -15.75,-73.5 r270 top locked (schematic designator U3)
U3] "MOSFET Driver" MIC4127YME 5.25,-73.5 r270 top locked (schematic designator U3)
U3^ "MOSFET Driver" MIC4127YME 26.25,-73.5 r270 top locked (schematic designator U3)
U3_ "MOSFET Driver" MIC4127YME 47.25,-73.5 r270 top locked (schematic designator U3)
U3` "MOSFET Driver" MIC4127YME 68.25,-73.5 r270 top locked (schematic designator U3)
U3A "MOSFET Driver" MIC4127YME -78.75,52.5 r270 top locked (schematic designator U3)
U3B "MOSFET Driver" MIC4127YME -57.75,52.5 r270 top locked (schematic designator U3)
U3C "MOSFET Driver" MIC4127YME -36.75,52.5 r270 top locked (schematic designator U3)
U3D "MOSFET Driver" MIC4127YME -15.75,52.5 r270 top locked (schematic designator U3)
U3E "MOSFET Driver" MIC4127YME 5.25,52.5 r270 top locked (schematic designator U3)
U3F "MOSFET Driver" MIC4127YME 26.25,52.5 r270 top locked (schematic designator U3)
U3G "MOSFET Driver" MIC4127YME 47.25,52.5 r270 top locked (schematic designator U3)
U3H "MOSFET Driver" MIC4127YME 68.25,52.5 r270 top locked (schematic designator U3)
U3I "MOSFET Driver" MIC4127YME -78.75,10.5 r270 top locked (schematic designator U3)
U3J "MOSFET Driver" MIC4127YME -57.75,10.5 r270 top locked (schematic designator U3)
U3K "MOSFET Driver" MIC4127YME -36.75,10.5 r270 top locked (schematic designator U3)
U3L "MOSFET Driver" MIC4127YME -15.75,10.5 r270 top locked (schematic designator U3)
U3M "MOSFET Driver" MIC4127YME 5.25,10.5 r270 top locked (schematic designator U3)
U3N "MOSFET Driver" MIC4127YME 26.25,10.5 r270 top locked (schematic designator U3)
U3O "MOSFET Driver" MIC4127YME 47.25,10.5 r270 top locked (schematic designator U3)
U3P "MOSFET Driver" MIC4127YME 68.25,10.5 r270 top locked (schematic designator U3)